# Altium PCB ESP32-C3_V1.PcbDoc (part 2 of 2)
Units mm, origin at the board's own origin, x right, y up, seen from the top; angles counter-clockwise.
Board outline 80 x 35 mm, 4 copper layers (Top Layer, Inner Layer 1, Inner Layer 2, Bottom Layer), stack 1.564 mm thick; 105 components, 76 nets, 445 pads, 265 vias.
Unrouted connection lines stored in the file: 166.
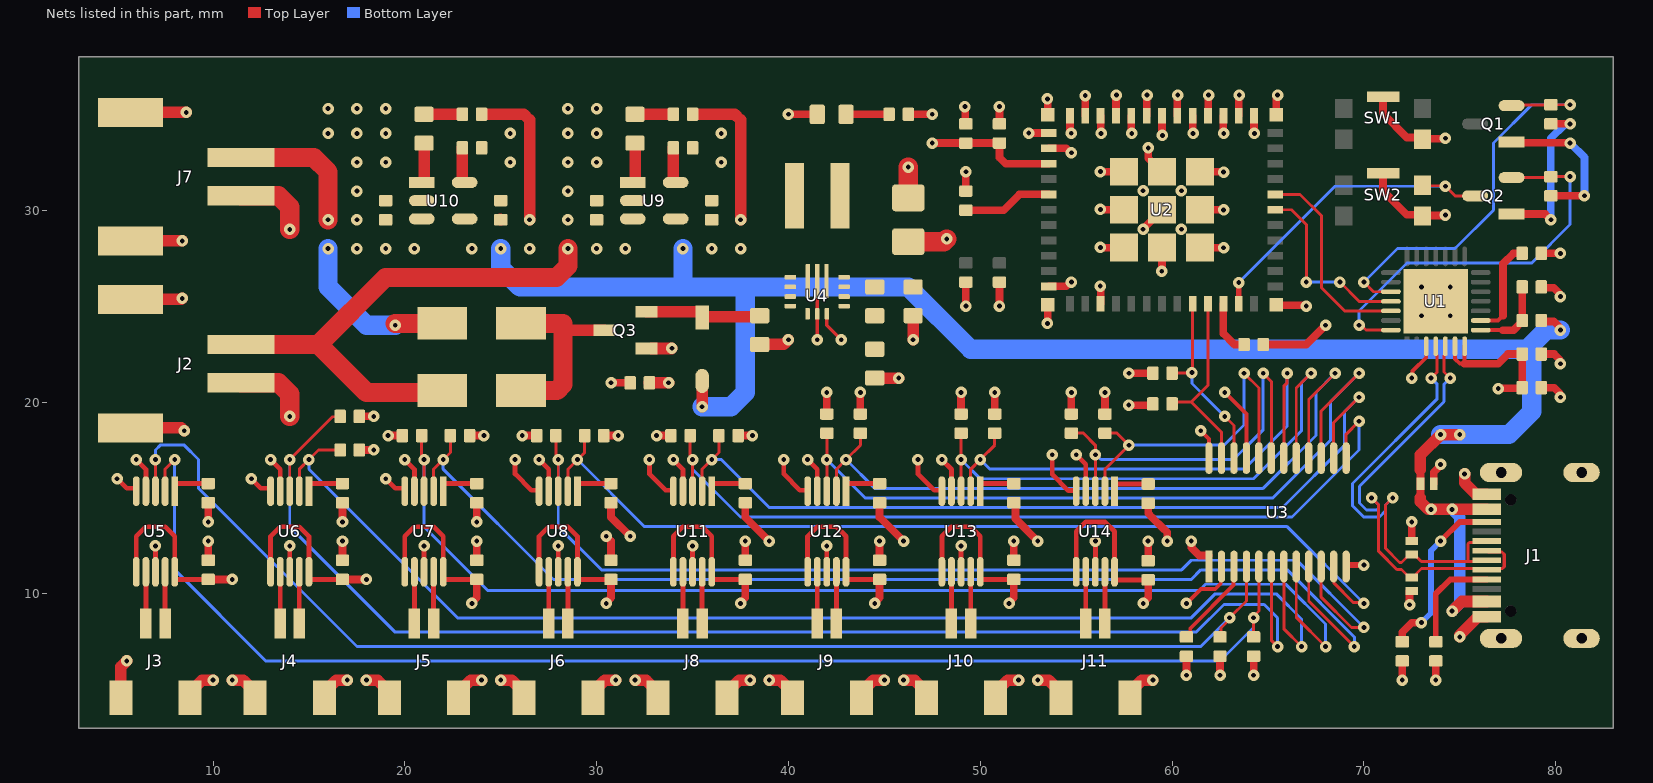
[diagram p4: the nets of this part, all layers, seen from the top]

## Via types
v1: diameter 0.6, hole 0.25, Top Layer to Bottom Layer, tented both sides, 260 vias
v2: diameter 0.6, hole 0.25, Top Layer to Bottom Layer, 5 vias

## Nets (pads, with @x,y where several pads share a name; then routed paths per layer and width w, separated by ;. In a path a pad name is that pad's centre, name@x,y a point inside that pad or via, vN(x,y) a via of type N, cw(c..) or ccw(c..) an arc to the next point about the centre after c; other vN are vias at no path point) (continued)
CON_USB_N: D3.2 J1.A7 J1.B7 U1.5 | length 24.1
  Top Layer w0.158: v1(70.4,15) 70.769,14.631 70.769,12.22 71.72,11.269 71.956,11.269 72.375,10.85 D3.2@72.5,10.85 72.625,10.85 72.746,10.971 72.746,11.065 73,11.319 J1.B7@76.4,11.319 ; U1.5@74.25,22.909 74.25,22.492 74.181,22.423 74.181,22.076 74.181,21.569 v1(74.5,21.25) ; J1.A7@76.4,12.25 76.471,12.179 77.196,12.179 77.318,12.057 77.318,11.418 77.22,11.32 J1.B7@76.47,11.32
  Bottom Layer w0.158: v1(70.4,15) 70.769,14.631 70.769,14.474 70.662,14.367 70.138,14.367 69.767,14.738 69.767,15.606 74.181,20.02 74.181,20.931 v1(74.5,21.25)
CON_USB_P: D2.2 J1.A6 J1.B6 U1.4 | length 24
  Top Layer w0.158: v1(71.5,15) 71.131,14.631 71.131,12.369 71.861,11.639 71.964,11.639 72.375,12.05 D2.2@72.5,12.05 72.625,12.05 72.994,11.681 75.425,11.681 ; v1(73.5,21.25) 73.819,21.569 73.819,22.226 73.819,22.423 73.75,22.492 U1.4@73.75,22.909 ; J1.A6@76.4,11.681 75.425,11.681 ; J1.B6@76.4,12.75 76.329,12.679 75.497,12.679 75.425,12.607 75.425,11.681
  Bottom Layer w0.158: v1(71.5,15) 71.131,14.631 71.131,14.324 70.812,14.005 69.988,14.005 69.405,14.588 69.405,15.756 73.819,20.17 73.819,20.931 v1(73.5,21.25)
DTR: Q2.2 R23.2 U1.28 | length 20.9
  Top Layer w0.152: v1(69.75,24) 69.858,24 70.108,23.75 U1.28@71.409,23.75 ; Q2.2@77.701,31.7 79.7,31.7 R23.2@79.75,31.75 v1(80.75,31.75)
  Bottom Layer w0.152: v1(69.75,24) 69.75,24.75 72.25,27.25 78.75,27.25 80.75,29.25 v1(80.75,31.75)
GND: C1.1 C2.1 C3.1 C4.1 C5.1 C6.1 C7.1 C8.1 C9.1 C10.1 C11.1 C12.1 C13.1 C14.1 C15.1 C16.1 C17.2 C18.2 C19.2 C20.2 C21.1 C22.1 C23.1 C24.1 C25.1 C26.1 C27.1 C28.1 D2.1 D3.1 D4.1 D5.K J1.A1B12 J1.B1A12 J1.SH J2.2 J2.MP1 J2.MP2 J3.3 J3.4 J4.3 J4.4 J5.3 J5.4 J6.3 J6.4 J7.2 J7.MP1 J7.MP2 J8.3 J8.4 J9.3 J9.4 J10.3 J10.4 J11.3 J11.4 R4.1 R5.1 R6.1 R32.1 R34.2 R36.2 R37.1 SW1.4 SW1.5 SW2.4 SW2.5 U1. U1.3 U2.1 U2.2 U2.11 U2.14 U2.36 U2.37 U2.38 U2.39 U2.40 U2.41 U2.42 U2.43 U2.44 U2.45 U2.46 U2.47 U2.48 U2.49 U2.50 U2.51 U2.52 U2.53 U2.54 U2.55 U2.56 U2.57 U2.58 U2.59 U2.60 U2.61 U3.1 U3.2 U3.12 U3.21 U4.2 U4.9 U4.10 U5.4 U5.8 U6.4 U6.8 U7.4 U7.8 U8.4 U8.8 U9.2 U10.2 U11.4 U11.8 U12.4 U12.8 U13.4 U13.8 U14.4 U14.8 | length 181.8
  Top Layer w0.2: v1(41.5,23.25) U4.2@41.5,26.305 ; U4.10@42,24.6 42,24 v1(42.75,23.25) ; v1(60.75,9.5) 61.5,10.25 62.25,10.25 62.54,10.54 62.54,11.39 U3.2@62.575,11.425 ; v1(62.75,20.5) 63.75,19.5 63.761,19.5 63.875,19.386 U3.21@63.875,17.075 ; v1(72.5,21.25) 72.539,21.289 72.539,21.614 73.25,22.325 U1.3@73.25,22.909
  Top Layer w0.25: v1(6,17) 6.5,16.5 U5.4@6.5,15.351 ; U5.8@7,11.149 v1(7,12.5) ; v1(13,17) 13.5,16.5 U6.4@13.5,15.351 ; U6.8@14,11.149 v1(14,12.5) ; v1(20,17) 20.5,16.5 U7.4@20.5,15.351 U7.4@20.5,16 ; U7.8@21,11.149 v1(21,12.5) ; v1(27,17) 27.5,16.5 U8.4@27.5,15.351 ; U8.8@28,11.149 v1(28,12.5) ; v1(34,17) 34.5,16.5 U11.4@34.5,15.351 ; U11.8@35,11.149 v1(35,12.5) ; v1(41,17) 41.5,16.5 U12.4@41.5,15.351 ; U12.8@42,11.149 v1(42,12.5) ; v1(48,17) 48.5,16.5 U13.4@48.5,15.351 ; U13.8@49,11.149 v1(49,12.5) ; v1(55,17.25) 55.5,16.75 U14.4@55.5,15.327 ; U14.8@56,11.399 v1(56,12.75)
  Top Layer w0.3: U3.12@69.075,11.425 69.075,11.463 69.112,11.5 v1(70,11.5)
  Top Layer w0.4: C9.1@9.75,11.75 v1(9.75,12.75) ; v1(9.75,13.75) C10.1@9.75,14.75 ; C11.1@16.75,11.75 v1(16.75,12.75) ; v1(16.75,13.75) C12.1@16.75,14.75 ; C13.1@23.75,11.75 v1(23.75,12.75) ; v1(23.75,13.75) C14.1@23.75,14.75 ; v1(30.5,13) 30.75,12.75 C15.1@30.75,11.75 ; C16.1@30.75,14.75 30.75,14 v1(31.75,13) ; v1(30.75,21) 31.45,21 ; C21.1@37.75,11.75 v1(37.75,12.75) ; C22.1@37.75,14.75 37.75,14 v1(39,12.75) ; v1(40,35) D5.K@41.5,35 ; C23.1@44.75,11.75 v1(44.75,12.75) ; C24.1@44.75,14.75 44.75,14 v1(46,12.75) ; v1(49.2,35.4) 49.225,35.375 49.225,34.525 C2.1@49.25,34.5 ; v1(51,25) C1.1@51,26.25 ; C3.1@51,34.5 v1(51,35.4) ; C25.1@51.75,11.75 v1(51.75,12.75) ; C26.1@51.75,14.75 51.838,14.662 51.838,13.912 v1(53,12.75) ; v1(52.525,34.025) U2.1@53.575,34.025 U2.1@53.578,34.022 ; v1(53.5,24.1) 53.512,24.112 53.512,25.063 U2.52@53.525,25.075 ; v1(53.5,35.8) 53.512,35.788 53.512,34.988 U2.53@53.525,34.975 ; U2.11@53.585,26.028 54.474,26.028 v1@54.696,26.25 ; U2.2@53.585,33.222 54.474,33.222 54.696,33 v1(54.75,33) ; U2.48@54.675,34.925 54.675,34.129 54.739,34.065 v1(54.739,34.011) ; U2.47@55.475,34.925 55.478,34.928 v1(55.478,35.978) ; U2.14@56.275,25.125 v1@56.275,26.025 ; v1@56.275,28.05 U2.56@57.5,28.05 ; v1@56.275,30.025 U2.55@57.5,30.025 ; v1@56.275,32 U2.54@57.5,32 ; v1@56.275,34.025 U2.46@56.275,34.925 ; U2.45@57.078,34.928 v1@57.078,35.978 ; v1@57.875,34.025 U2.44@57.875,34.925 ; v1(58.488,29.012) 58.488,29.038 U2.49@59.475,30.025 U2.49@58.951,29.501 ; U2.43@58.678,34.928 v1@58.678,35.978 ; C27.1@58.75,11.726 v1(58.75,12.75) ; C28.1@58.75,14.726 58.75,14.2 59,13.95 59.5,13.45 59.75,13.2 v1(59.75,12.75) ; v1(58.755,33.245) 58.755,32.72 U2.61@59.475,32 ; v1@59.475,26.825 U2.57@59.475,28.05 ; U2.42@59.475,34.925 59.478,34.922 59.478,33.922 v1(59.5,33.9) ; U2.41@60.272,34.922 U2.41@60.275,34.925 ; U2.41@60.278,34.928 v1@60.278,35.978 ; v1(61,12.75) 61.009,12.741 61.009,12.416 61.425,12 U3.1@61.915,12 ; v1@61.075,34.025 U2.40@61.075,34.925 ; U2.58@61.45,28.05 v1@62.675,28.05 ; U2.59@61.45,30.025 v1@62.675,30.025 ; U2.60@61.45,32 v1@62.675,32 ; U2.39@61.878,34.928 v1@61.878,35.978 ; v1@62.675,34.025 U2.38@62.675,34.925 ; U2.37@63.478,34.928 v1@63.478,35.978 ; v1@64.275,34.025 U2.36@64.275,34.925 ; U2.51@65.425,25.075 65.462,25.037 66.963,25.037 v1(67,25) ; U2.50@65.425,34.975 65.425,35.871 65.5,35.946 v1(65.5,36) ; SW2.5@71,31.925 71,31 72.234,29.766 72.984,29.766 SW2.4@73.05,29.7 ; SW1.5@71,35.925 71,35.024 72.234,33.789 73.011,33.789 SW1.4@73.026,33.774 ; v1(72,5.5) R5.1@72,6.5 ; D3.1@72.375,10.15 D3.1@72.5,10.15 ; v1(72.382,9.432) D3.1@72.382,10.143 ; D2.1@72.5,12.75 v1(72.5,13.75) ; SW1.4@73.05,33.7 73.075,33.725 74.225,33.725 v1(74.25,33.75) ; SW2.4@73.075,29.725 v1@74.225,29.725 ; D4.1@73.65,15.75 73.65,16.346 74,16.696 v1(74,16.75) ; v1(73.75,5.5) R6.1@73.75,6.5 ; C4.1@79.25,20.75 79.923,20.75 80.212,20.462 80.212,20.288 v1(80.25,20.25) ; C5.1@79.25,22.5 79.923,22.5 80.212,22.212 80.212,22.038 v1(80.25,22) ; R4.1@79.25,25.95 79.907,25.95 80.212,25.645 80.212,25.538 v1(80.25,25.5)
  Top Layer w0.6: J3.3@5.2,4.575 5.2,6.2 v1(5.5,6.5) ; J2.MP2@5.7,18.65 8.35,18.65 v1(8.5,18.5) ; J2.MP1@5.7,25.35 8.35,25.35 v1(8.4,25.4) ; J7.MP2@5.7,28.4 v1(8.4,28.4) ; J7.MP1@5.7,35.1 v1(8.6,35.1) ; J3.4@8.8,4.575 8.8,4.875 9.425,5.5 v1(10,5.5) ; v1(11,5.5) 11.575,5.5 12.2,4.875 J4.3@12.2,4.575 ; J4.4@15.8,4.575 15.8,4.875 16.425,5.5 v1(17,5.5) ; v1(18,5.5) 18.575,5.5 19.2,4.875 J5.3@19.2,4.575 ; J5.4@22.8,4.575 22.8,4.875 23.425,5.5 v1(24,5.5) ; v1(25,5.5) 25.575,5.5 26.2,4.875 J6.3@26.2,4.575 ; J6.4@29.8,4.575 29.8,4.875 30.425,5.5 v1(31,5.5) ; v1(32,5.5) 32.575,5.5 33.2,4.875 J8.3@33.2,4.575 ; J8.4@36.8,4.575 36.8,4.875 37.425,5.5 v1(38,5.5) ; C6.1@38.5,23 39.75,23 v1(40,23.25) ; v1(39,5.5) 39.575,5.5 40.2,4.875 J9.3@40.2,4.575 ; J9.4@43.8,4.575 43.8,4.875 44.425,5.5 v1(45,5.5) ; R32.1@44.5,21.25 v1(45.75,21.25) ; v1(46,5.5) 46.575,5.5 47.2,4.875 J10.3@47.2,4.575 ; v1(46.5,23.25) C7.1@46.5,24.5 ; J10.4@50.8,4.575 50.8,4.875 51.425,5.5 v1(52,5.5) ; v1(53,5.5) 53.575,5.5 54.2,4.875 J11.3@54.2,4.575 ; J11.4@57.8,4.575 57.8,4.875 58.425,5.5 v1(59,5.5) ; v1(75,7.75) 75,7.85 75.95,8.8 J1.A1B12@76.4,8.8 ; v1(75.25,16.25) 75.25,15.787 75.836,15.2 J1.B1A12@76.4,15.2
  Top Layer w1: J2.2@11.45,21 13.414,21 14,20.414 v1(14,19.25) ; J7.2@11.45,30.75 13.414,30.75 14,30.164 v1(14,29) ; C8.1@46.25,30.643 v1(46.25,32.25)
  Bottom Layer w0.4: J1.SH@77.15,7.675 J1.SH@77.75,7.675 ; J1.SH@77.15,16.325 J1.SH@77.75,16.325
  other v1: 56.253,26.047 54.75,26.25 59.462,26.812 62.688,28.037 56.262,28.062 60.488,29.012 74.25,29.75 62.688,30.012 56.262,30.037 17.5,31 28.5,31 58.488,31.012 60.488,31.012 62.688,31.987 56.262,32.012 17.5,32.5 19,32.5 25.5,32.5 28.5,32.5 30,32.5 36.5,32.5 16,34 17.5,34 19,34 25.5,34 28.5,34 30,34 36.5,34 56.297,34.003 57.897,34.003 61.097,34.003 62.697,34.003 64.297,34.003 16,35.3 17.5,35.3 19,35.3 28.5,35.3 30,35.3 57.1,36 58.7,36 60.3,36 61.9,36 63.5,36
  other v2: 73,24.5 74.5,24.5 73,26 74.5,26
IO2: R27.1 U2.5 | length 4.7
  Top Layer w0.4: R27.1@49.25,30 51.223,30 52.048,30.825 U2.5@53.575,30.825
IO8: R26.1 U2.22 | length 2.9
  Top Layer w0.4: U2.22@62.675,25.125 62.675,23.575 63.25,23 R26.1@63.75,23
IO9: Q2.3 SW2.2 U2.23 | length 16.9
  Top Layer w0.152: SW2.2@73.05,31.3 73.075,31.275 74.225,31.275 74.75,30.75 Q2.3@75.799,30.75
  Top Layer w0.3: U2.23@63.475,25.125 v1(63.475,26.225)
  Bottom Layer w0.152: v1(63.475,26.225) 68.5,31.25 v1(74.25,31.25)
NetC10_2: C10.2 U5.1 | length 1.7
  Top Layer w0.25: U5.1@8.05,15.75 C10.2@9.75,15.75
NetC12_2: C12.2 U6.1 | length 1.7
  Top Layer w0.25: U6.1@15.05,15.75 C12.2@16.75,15.75
NetC14_2: C14.2 U7.1 | length 1.7
  Top Layer w0.25: U7.1@22.05,15.75 C14.2@23.75,15.75
NetC16_2: C16.2 U8.1 | length 1.7
  Top Layer w0.25: U8.1@29.05,15.75 C16.2@30.75,15.75
NetC22_2: C22.2 U11.1 | length 1.7
  Top Layer w0.25: U11.1@36.05,15.75 C22.2@37.75,15.75
NetC24_2: C24.2 U12.1 | length 1.7
  Top Layer w0.25: U12.1@43.05,15.75 C24.2@44.75,15.75
NetC26_2: C26.2 U13.1 | length 1.7
  Top Layer w0.25: U13.1@50.05,15.75 C26.2@51.75,15.75
NetC28_2: C28.2 U14.1 | length 1.7
  Top Layer w0.25: U14.1@57.05,15.726 C28.2@58.75,15.726 C28.2@58.7,15.726
NetD5_A: D5.A R30.1 | length 2.2
  Top Layer w0.4: D5.A@43,35 R30.1@45.25,35
NetD6_1: D6.1 D7.1 Q3.3 | length 10
  Top Layer w0.6: 28.25,24.1 28.6,23.75 Q3.3@30.4,23.75
  Top Layer w1: D6.1@26.05,20.6 27.931,20.6 28.25,20.919 28.25,24.1 D7.1@26.05,24.1
NetD8_A: D8.A R33.2 | length 2
  Top Layer w0.6: D8.A@32,35 R33.2@34,35
NetD8_K: D8.K U9.1 | length 2
  Top Layer w0.6: U9.1@32,31.489 D8.K@32,33.5
NetD9_A: D9.A R35.2 | length 2
  Top Layer w0.6: D9.A@21,35 R35.2@23,35
NetD9_K: D9.K U10.1 | length 2
  Top Layer w0.6: U10.1@21,31.489 D9.K@21,33.5
NetJ1_A5: J1.A5 R6.2 | length 5.5
  Top Layer w0.3: R6.2@73.75,7.5 73.75,10 74.5,10.75 J1.A5@76.4,10.75
NetJ1_B5: J1.B5 R5.2 | length 9.2
  Top Layer w0.3: v1(74,12.75) 75,13.75 J1.B5@76.4,13.75
  Top Layer w0.4: R5.2@72,7.5 72,8 72.5,8.5 v1(73,8.5)
  Bottom Layer w0.3: v1(73,8.5) 73.5,9 73.5,12.25 v1(74,12.75)
NetJ3_1: J3.1 U5.7 | length 2.2
  Top Layer w0.25: J3.1@6.5,8.45 U5.7@6.5,10.649
NetJ3_2: J3.2 U5.9 | length 2.2
  Top Layer w0.25: J3.2@7.5,8.45 U5.9@7.5,10.649
NetJ4_1: J4.1 U6.7 | length 2.2
  Top Layer w0.25: J4.1@13.5,8.95 U6.7@13.5,11.149
NetJ4_2: J4.2 U6.9 | length 2.2
  Top Layer w0.25: J4.2@14.5,8.95 U6.9@14.5,11.149
NetJ5_1: J5.1 U7.7 | length 2.2
  Top Layer w0.25: J5.1@20.5,8.95 U7.7@20.5,11.149
NetJ5_2: J5.2 U7.9 | length 2.2
  Top Layer w0.25: J5.2@21.5,8.95 U7.9@21.5,11.149
NetJ6_1: J6.1 U8.7 | length 2.2
  Top Layer w0.25: J6.1@27.5,8.95 U8.7@27.5,11.149
NetJ6_2: J6.2 U8.9 | length 2.2
  Top Layer w0.25: J6.2@28.5,8.95 U8.9@28.5,11.149
NetJ8_1: J8.1 U11.7 | length 2.2
  Top Layer w0.25: J8.1@34.5,8.95 U11.7@34.5,11.149
NetJ8_2: J8.2 U11.9 | length 2.2
  Top Layer w0.25: J8.2@35.5,8.95 U11.9@35.5,11.149
NetJ9_1: J9.1 U12.7 | length 2.2
  Top Layer w0.25: J9.1@41.5,8.95 U12.7@41.5,11.149
NetJ9_2: J9.2 U12.9 | length 2.2
  Top Layer w0.25: J9.2@42.5,8.95 U12.9@42.5,11.149
NetJ10_1: J10.1 U13.7 | length 2.2
  Top Layer w0.25: J10.1@48.5,8.95 U13.7@48.5,11.149
NetJ10_2: J10.2 U13.9 | length 2.2
  Top Layer w0.25: J10.2@49.5,8.95 U13.9@49.5,11.149
NetJ11_1: J11.1 U14.7 | length 2.2
  Top Layer w0.25: J11.1@55.5,9.2 U14.7@55.5,11.399
NetJ11_2: J11.2 U14.9 | length 2.2
  Top Layer w0.25: J11.2@56.5,9.2 U14.9@56.5,11.399
NetL1_1: L1.1 U4.3
NetL1_2: L1.2 U4.1
NetQ1_1: Q1.1 R23.1 | length 7.9
  Top Layer w0.4: Q1.1@77.701,33.55 77.726,33.525 80.725,33.525 v1(80.75,33.5) ; R23.1@79.75,30.75 v1(81.5,30.75)
  Bottom Layer w0.4: v1(80.75,33.5) 81.5,32.75 81.5,32.066 81.504,32.062 81.504,31.438 81.5,31.434 v1(81.5,30.75)
NetQ2_1: Q2.1 R25.1 | length 8.7
  Top Layer w0.4: Q2.1@77.701,29.8 79.45,29.8 v1(79.75,29.5) ; R25.1@79.75,34.5 v1(80.75,34.5)
  Bottom Layer w0.4: v1(79.75,29.5) 79.75,33.75 80.462,34.462 80.712,34.462 v1(80.75,34.5)
NetR2_1: R2.1 U1.9 | length 5.2
  Top Layer w0.2: U1.9@76.091,24.25 77,24.25 77.25,24.5
  Top Layer w0.4: 77.25,24.5 77.25,27.195 77.804,27.749 R2.1@78.25,27.75 R2.1@78.25,27.75
NetR3_1: R3.1 R4.2 U1.8 | length 4.1
  Top Layer w0.2: U1.8@76.091,23.75 77.25,23.75
  Top Layer w0.4: 77.25,23.75 77.8,23.75 78.25,24.2 R4.2@78.25,26
NetR24_1: R24.1 U3.3 | length 4.7
  Top Layer w0.2: R24.1@60.75,7.75 60.796,7.75 60.946,7.9 60.946,8.196 63.21,10.46 U3.3@63.21,11.409
NetR31_1: R31.1 R32.2 U4.11
NetR34_1: R34.1 U9.5 | length 1.8
  Top Layer w0.6: U9.5@34,31.486 R34.1@34,33.25
NetR36_1: R36.1 U10.5 | length 1.8
  Top Layer w0.6: U10.5@23,31.486 R36.1@23,33.25
RTS: Q1.2 R25.2 U1.24 | length 21.3
  Top Layer w0.152: v1(70,26.25) 70.5,25.75 U1.24@71.409,25.75 ; Q1.2@77.701,35.45 77.726,35.475 79.725,35.475 R25.2@79.75,35.5 v1(80.75,35.5)
  Bottom Layer w0.152: v1(70,26.25) 71.75,28 74.75,28 76.75,30 76.75,33.5 78.75,35.5 v1(80.75,35.5)
RXD0: U1.25 U2.30 | length 9.8
  Top Layer w0.152: U2.30@65.375,30.025 66.225,30.025 67,29.25 v1(67,26.25) ; v1(68.75,26.25) 69.75,25.25 70.25,25.25 U1.25@71.409,25.25
  Bottom Layer w0.152: v1(67,26.25) v1(68.75,26.25)
SCL: R28.1 U2.20 U3.22 | length 10
  Top Layer w0.152: R28.1@60,21.5 60.019,21.519 61.019,21.519 61.075,21.575 U2.20@61.075,25.125 ; v1(62.75,19.25) 63.225,18.775 U3.22@63.225,17.075
  Bottom Layer w0.152: v1(61.038,21.538) 61.038,20.962 61.943,20.057 v1(62.75,19.25)
SCL_01: R7.1 U3.5 U5.2 | length 70.2
  Top Layer w0.152: U5.2@7.5,16 7.5,16.5 v1(8,17) ; R7.1@64.25,7.75 v1(64.25,8.75) 64.25,8.831 64.525,9.106 U3.5@64.525,11.425
  Bottom Layer w0.152: v1(8,17) 8,11.25 12.75,6.5 62.5,6.5 64.25,8.25 v1(64.25,8.75)
SCL_02: R9.1 U3.7 U6.2 | length 65.5
  Top Layer w0.152: U6.2@14.5,16 14.5,16.5 v1(15,17) 15.5,17.5 R9.1@16.625,17.5 ; U3.7@65.825,11.4 65.825,8.175 v1(66.75,7.25)
  Bottom Layer w0.152: v1(15,17) 15,16.5 22.75,8.75 61,8.75 62.25,10 65.433,10 66.75,8.683 v1(66.75,7.25)
SCL_03: R11.1 U3.9 U7.2 | length 60.3
  Top Layer w0.152: U7.2@21.5,16 21.5,16.5 v1(22,17) 22.375,17.375 R11.1@22.375,18.25 ; U3.9@67.125,11.4 67.125,9.625 v1(69.5,7.25)
  Bottom Layer w0.152: v1(22,17) 22,16.5 27.75,10.75 61,10.75 61.5,11.25 66,11.25 69.5,7.75 v1(69.5,7.25)
SCL_04: R13.1 U3.11 U8.2 | length 49.6
  Top Layer w0.152: U8.2@28.5,16 28.5,16.5 v1(29,17) 29.375,17.375 R13.1@29.375,18.25 ; U3.11@68.425,11.425 68.428,11.422 68.428,10.572 69.461,9.539 69.961,9.539 v1(70,9.5)
  Bottom Layer w0.152: v1(29,17) 32.5,13.5 66,13.5 v1(70,9.5)
SCL_05: R15.1 U3.14 U11.2 | length 44.5
  Top Layer w0.152: U11.2@35.5,16 35.5,16.5 v1(36,17) 36.375,17.375 R15.1@36.375,18.25 ; U3.14@68.425,17.075 68.425,18.925 v1(69.75,20.25)
  Bottom Layer w0.152: v1(36,17) 36.5,17 39,14.5 65.75,14.5 69,17.75 69,19.5 v1(69.75,20.25)
SCL_06: R17.1 U3.16 U12.2 | length 37.8
  Top Layer w0.152: U12.2@42.5,16 42.5,16.5 v1(43,17) 43.75,17.75 R17.1@43.75,18.375 ; U3.16@67.125,17.075 67.125,20.125 v1@68.491,21.491
  Bottom Layer w0.152: v1(43,17) 44.5,15.5 64.75,15.5 67.5,18.25 67.5,20.5 v1(68.5,21.5)
SCL_07: R19.1 U3.18 U13.2 | length 27.9
  Top Layer w0.152: U13.2@49.5,15.351 49.5,16 49.5,16.5 v1(50,17) 50.75,17.75 R19.1@50.75,18.375 ; U3.18@65.825,17.075 65.825,20.825 66,21 v1(66,21.5)
  Bottom Layer w0.152: v1(50,17) 50.5,16.5 63.75,16.5 66,18.75 v1(66,21.5)
SCL_08: R21.1 U3.20 U14.2 | length 18
  Top Layer w0.152: U14.2@56.5,15.577 56.5,16.5 v1(57.75,17.75) 57.125,18.375 R21.1@56.5,18.375 ; v1(63.75,21.5) 64.525,20.725 U3.20@64.525,17.106
  Bottom Layer w0.152: v1(57.75,17.75) 62.7,17.75 63.75,18.8 v1(63.75,21.5)
SDA: R29.1 U2.21 U3.23 | length 10.1
  Top Layer w0.152: R29.1@60,20 61,20 ; U2.21@61.875,25.125 61.875,20.875 61,20 ; U3.23@62.575,17.075 62.575,18.425 61,20
SDA_01: R8.1 U3.4 U5.3 | length 68.3
  Top Layer w0.152: U5.3@7,15.351 v1(7,17) ; R8.1@62.55,7.75 62.55,8.219 63,8.669 v1(63,8.75) 63.875,9.625 U3.4@63.875,11.425
  Bottom Layer w0.152: v1(7,17) 7,17.5 7.25,17.75 8.5,17.75 9.25,17 9.25,15.5 17.5,7.25 61.5,7.25 v1(63,8.75)
SDA_02: R10.1 U3.6 U6.3 | length 69.2
  Top Layer w0.152: U6.3@14,15.351 v1(14,17) 15.054,18.054 16.231,19.231 16.606,19.231 R10.1@16.625,19.25 ; U3.6@65.175,11.394 65.175,7.575 v1(65.5,7.25)
  Bottom Layer w0.152: v1(14,17) 14,13.5 19.5,8 61.25,8 62.7,9.45 64.8,9.45 65.5,8.75 v1(65.5,7.25)
SDA_03: R12.1 U3.8 U7.3 | length 61.8
  Top Layer w0.152: R12.1@20.875,18.25 20.875,17.246 21,17.121 U7.3@21,15.351 ; U3.8@66.475,11.425 66.475,8.775 v1(68,7.25)
  Bottom Layer w0.152: v1(21,17) 21,13.5 24.322,10.178 61.428,10.178 61.75,10.5 65.925,10.5 68,8.425 v1(68,7.25)
SDA_04: R14.1 U3.10 U8.3 | length 55.5
  Top Layer w0.152: R14.1@27.875,18.25 27.875,17.246 28,17.121 U8.3@28,15.351 ; U3.10@67.775,11.425 67.775,9.825 69.35,8.25 v1(70,8.25)
  Bottom Layer w0.152: v1(28,17) 28,13.5 30.25,11.25 60.5,11.25 61,11.75 66.5,11.75 v1(70,8.25)
SDA_05: R16.1 U3.13 U11.3 | length 44.4
  Top Layer w0.152: R16.1@34.875,18.25 34.875,17.246 35,17.121 U11.3@35,15.351 ; U3.13@69.075,17.075 69.075,18.325 v1(69.75,19)
  Bottom Layer w0.152: v1(35,17) 35,16.5 37.5,14 66.25,14 69.75,17.5 v1(69.75,19)
SDA_06: R18.1 U3.15 U12.3 | length 40.7
  Top Layer w0.152: U12.3@42,15.351 v1(42,17) R18.1@42,18.375 ; U3.15@67.775,17.075 67.775,19.525 v1(69.75,21.5)
  Bottom Layer w0.152: v1(42,17) 44,15 65.25,15 68.25,18 68.25,20 v1(69.75,21.5)
SDA_07: R20.1 U3.17 U13.3 | length 30.2
  Top Layer w0.152: U13.3@49,15.351 v1(49,17) R20.1@49,18.375 ; U3.17@66.475,17.075 66.475,20.725 v1(67.25,21.5)
  Bottom Layer w0.152: v1(49,17) 50,16 64.25,16 66.75,18.5 66.75,21 v1(67.25,21.5)
SDA_08: R22.1 U3.19 U14.3 | length 21
  Top Layer w0.152: R22.1@54.75,18.375 55.375,18.375 56,17.75 v1(56,17.25) U14.3@56,15.327 ; v1(64.75,21.5) 65.175,21.075 U3.19@65.175,17.1
  Bottom Layer w0.152: v1(56,17.25) 56.035,17.25 56.285,17 63.2,17 64.75,18.55 v1(64.75,21.5)
SELECTED: C6.2 D10.1 Q3.2 U4.4 U4.5 U4.6 U4.7 U4.8 | length 6.4
  Top Layer w0.6: Q3.2@32.6,24.71 35.449,24.71 35.5,24.659 D10.1@35.5,24.4 ; D10.1@35.449,24.6 35.5,24.549 D10.1@35.5,24.4 ; C6.2@38.5,24.5 38.45,24.45 35.55,24.45 D10.1@35.5,24.4
TXD0: U1.26 U2.31 | length 10.7
  Top Layer w0.152: U2.31@65.375,30.825 66.675,30.825 67.8,29.7 67.8,25.95 69,24.75 70.25,24.75 U1.26@71.409,24.75
VCC_3V3: C2.2 C3.2 C4.2 C5.2 C7.2 C8.2 C9.2 C11.2 C13.2 C15.2 C21.2 C23.2 C25.2 C27.2 R1.2 R2.2 R7.2 R8.2 R9.2 R10.2 R11.2 R12.2 R13.2 R14.2 R15.2 R16.2 R17.2 R18.2 R19.2 R20.2 R21.2 R22.2 R24.2 R26.2 R27.2 R28.2 R29.2 R30.2 R31.2 U1.6 U1.7 U2.3 U3.24 U4.12 U4.13 U4.14 U5.5 U5.6 U5.10 U6.5 U6.6 U6.10 U7.5 U7.6 U7.10 U8.5 U8.6 U8.10 U11.5 U11.6 U11.10 U12.5 U12.6 U12.10 U13.5 U13.6 U13.10 U14.5 U14.6 U14.10 | length 134.4
  Top Layer w0.2: v1(61.5,18.5) 61.925,18.075 U3.24@61.925,17.075 ; U1.6@74.75,22.909 74.75,22.25 75,22 75.25,22 U1.7@75.25,22.909
  Top Layer w0.25: v1(5,16) 5.5,15.5 U5.5@5.954,15.5 ; U5.6@6,11.149 6,13 6.5,13.5 7.5,13.5 8,13 U5.10@8,11.149 ; U5.10@8.046,10.75 C9.2@9.75,10.75 ; v1(12,16) 12.5,15.5 U6.5@12.954,15.5 ; U6.6@13,11.149 13,13 13.5,13.5 14.5,13.5 15,13 U6.10@15,11.149 ; U6.10@15.046,10.75 C11.2@16.75,10.75 ; v1(19,16) 19.5,15.5 U7.5@19.954,15.5 ; U7.6@20,11.149 20,13 20.5,13.5 21.5,13.5 22,13 U7.10@22,11.149 ; U7.10@22.046,10.75 C13.2@23.75,10.75 ; v1(25.75,17) 25.75,16.25 26.596,15.404 26.954,15.404 27,15.357 U8.5@27,15.351 ; U8.6@27,11.149 27,13 27.5,13.5 28.5,13.5 29,13 U8.10@29,11.149 ; U8.10@29.046,10.75 C15.2@30.75,10.75 ; v1(32.75,17) 32.75,16.25 33.596,15.404 33.954,15.404 34,15.357 U11.5@34,15.351 ; U11.6@34,11.149 34,13 34.5,13.5 35.5,13.5 36,13 U11.10@36,11.149 ; U11.10@36.046,10.75 C21.2@37.75,10.75 ; v1(39.75,17) 39.75,16.25 40.596,15.404 40.954,15.404 41,15.357 U12.5@41,15.351 ; U12.6@41,11.149 41,13 41.5,13.5 42.5,13.5 43,13 U12.10@43,11.149 ; U12.10@43.046,10.75 C23.2@44.75,10.75 ; v1(46.75,17) 46.75,16.25 47.596,15.404 47.954,15.404 48,15.357 U13.5@48,15.351 ; U13.6@48,11.149 48,13 48.5,13.5 49.5,13.5 50,13 U13.10@50,11.149 ; U13.10@50.046,10.75 C25.2@51.75,10.75 ; v1@53.75,16.976 53.75,16.226 54.596,15.379 U14.5@54.954,15.379 ; U14.6@55,11.399 55,13.25 55.5,13.75 56.5,13.75 57,13.25 U14.10@57,11.399 ; U14.10@57,11.375 57,11.022 U14.10@57.046,10.976 ; U14.10@57.046,10.726 C27.2@58.75,10.726
  Top Layer w0.4: C9.2@9.75,10.75 v1(11,10.75) ; C11.2@16.75,10.75 v1(18,10.75) ; R9.2@17.625,17.5 v1(18.375,17.5) ; R10.2@17.625,19.25 v1(18.375,19.25) ; v1(19.125,18.25) R12.2@19.875,18.25 ; R11.2@23.375,18.25 v1(24.125,18.25) ; v1(23.5,9.5) 23.5,9.554 23.75,9.804 C13.2@23.75,10.75 ; v1(26.125,18.25) R14.2@26.875,18.25 ; R13.2@30.375,18.25 v1(31.125,18.25) ; v1(30.5,9.5) 30.5,9.554 30.75,9.804 C15.2@30.75,10.75 ; v1(33.125,18.25) R16.2@33.875,18.25 ; R15.2@37.375,18.25 v1(38.125,18.25) ; v1(37.5,9.5) 37.5,9.554 37.75,9.804 C21.2@37.75,10.75 ; R18.2@42,19.375 v1(42,20.5) ; R17.2@43.75,19.375 v1(43.75,20.5) ; v1(44.5,9.5) 44.5,9.554 44.75,9.804 C23.2@44.75,10.75 ; R30.2@46.25,35 v1(47.5,35) ; v1(47.5,33.5) C2.2@49.25,33.5 C3.2@51,33.5 ; R20.2@49,19.375 v1(49,20.5) ; v1(49.25,25) R1.2@49.25,26.25 ; R27.2@49.25,31 v1(49.25,32) ; R19.2@50.75,19.375 v1(50.75,20.5) ; C3.2@51,33.5 51,32.75 51.325,32.425 U2.3@53.575,32.425 ; v1(51.5,9.5) 51.5,9.554 51.75,9.804 C25.2@51.75,10.75 ; R22.2@54.75,19.375 v1(54.75,20.5) ; R21.2@56.5,19.375 v1(56.5,20.5) ; v1(57.738,19.838) 58.9,19.838 59,19.938 R29.2@59,20 ; v1(57.75,21.5) R28.2@59,21.5 ; v1(58.5,9.5) 58.5,9.554 58.75,9.804 C27.2@58.75,10.726 ; v1(60.75,5.75) R24.2@60.75,6.75 ; v1(62.5,5.75) R8.2@62.5,6.75 ; v1(64.25,5.75) R7.2@64.25,6.7 ; R26.2@64.75,23 67,23 v1(68,24) ; 75.25,22 77,22 77.5,22.5 C5.2@78.25,22.5 C4.2@78.25,20.75 78.225,20.725 77.025,20.725 v1(77,20.7) ; R2.2@79.25,27.75 v1(80.25,27.75)
  Top Layer w1: C8.2@46.25,28.357 48.107,28.357 v1(48.25,28.5)
  other v1: 53.75,17.25
VCC_BATT1: C17.1 D6.2 J2.1 U9.3 | length 27.1
  Top Layer w1: J2.1@11.45,23 15.5,23 ; D6.2@21.95,20.5 18,20.5 15.5,23 ; v1(28.5,28) 28.5,27.086 27.914,26.5 19,26.5 15.5,23
  other v1: 30,28 31.5,28 28.5,29.5
VCC_BATT2: C18.1 D7.2 J7.1 U10.3 | length 16.1
  Top Layer w1: J7.1@11.45,32.75 15.25,32.75 16,32 v1(16,29.5) ; v1@19.5,24.1 D7.2@21.95,24.1
  Bottom Layer w1: v1(16,28) 16,26 18,24 v1(19.5,24)
  other v1: 17.5,28 19,28 20.5,28 17.5,29.5
VCC_USB: C19.1 C20.1 D4.2 D10.2 J1.A4B9 J1.B4A9 Q3.1 R3.2 R33.1 R35.1 R37.2 U9.4 U10.4 | length 113.6
  Top Layer w0.4: 72.95,15 72.95,16.45 ; R3.2@79.25,24.2 79.907,24.2 80.212,23.895 80.212,23.788 v1(80.25,23.75)
  Top Layer w0.6: R35.1@24,35 26.207,35 26.5,34.707 v1(26.5,29.5) ; C20.1@24.975,29.525 C20.1@25,29.5 ; R37.2@32.75,21 v1(33.75,21) ; Q3.1@32.875,22.79 33.915,22.79 v1(33.925,22.8) ; R33.1@35,35 37.207,35 37.5,34.707 v1(37.5,29.5) ; v1(35.5,19.75) D10.2@35.5,21.1 ; 72.95,15 72.95,14.8 73.346,14.404 v1(73.505,14.404) 73.509,14.4 v1(74.6,14.4) J1.B4A9@76.4,14.4 ; 72.95,16.464 72.95,17.25 v1(74,18.3) v2(75,18.3) ; v1(74.6,9.1) 75.1,9.6 J1.A4B9@76.4,9.6
  Bottom Layer w0.6: v1(74.6,9.1) 75,9.5 75,14 v1(74.6,14.4)
  Bottom Layer w1: v1(25,28) 25,27 26,26 34.5,26 ; v1(34.5,28) 34.5,26 ; v1(35.5,19.75) 37,19.75 37.75,20.5 37.75,26 ; v1(74,18.3) v2(75,18.3) 77.55,18.3 78.75,19.5 78.75,22.75 ; v1(80.25,23.75) 79.5,23.75 78.75,23 78.75,22.75 ; 34.5,26 37.75,26 ; 37.75,26 46.25,26 49.5,22.75 78.75,22.75
  other v1: 23.5,28 26.5,28 36,28 37.5,28
pads on no net: J1.A8 J1.B8 J1.MH SW1.1 SW1.3 SW2.1 SW2.3 U1.1 U1.2 U1.10 U1.11 U1.12 U1.13 U1.14 U1.15 U1.16 U1.17 U1.18 U1.19 U1.20 U1.21 U1.22 U1.23 U1.27 U2.4 U2.6 U2.7 U2.9 U2.10 U2.12 U2.13 U2.15 U2.16 U2.17 U2.18 U2.19 U2.24 U2.25 U2.26 U2.27 U2.28 U2.29 U2.32 U2.33 U2.34 U2.35

## Polygon pours and split planes (outlines as drawn)
NetR31_1 on Top Layer "NETR31_1_L01_P044" (solid, pour order 44): 42.509,25.143 45.1,25.143 45.1,22.3 43.9,22.3 43.9,23.3 42.509,24.691
GND on Top Layer "GND_L01_P018" (solid, pour order 18): 27.5,30.25 37,30.25 37,34.5 34.5,34.5 34.5,32.5 35,32 35,30.811 31,30.811 31,35.75 27.5,35.75
GND on Top Layer "GND_L01_P015" (solid, pour order 15): 15.5,35.75 15.5,33.9 17,32.4 17,30.25 26,30.25 26,34.5 23.5,34.5 23.5,32.5 24.25,31.75 24.25,31 20,31 20,35.75 17,35.75
VCC_3V3 on Top Layer "VCC_3V3_L01_P039" (solid, pour order 39): 74.565,23.455 74.565,22.185 75,21.75 78.6,21.75 78.6,23 75.998,23 75.542,23.455
NetL1_1 on Top Layer "NETL1_1_L01_P029" (solid, pour order 29): 41.173,25.25 41.173,27.327 41,27.5 41,32.75 39.5,32.75 39.5,28.25 40.75,27 40.75,25.25
NetD6_1 on Top Layer "NETD6_1_L01_P026" (solid, pour order 26): 24.375,25.2 24.375,19.5 27.958,19.5 29,20.462 29,22.99 31.125,22.99 31.125,25.2
SELECTED on Top Layer "SELECTED_L01_P034" (solid, pour order 34): 31.75,25.25 31.75,23.75 41.162,23.75 41.162,25 40.5,25 40.5,26.75 39.667,26.75 37.667,25.25
VCC_3V3 on Top Layer "VCC_3V3_L01_P032" (solid, pour order 32): 42.5,25.339 47.5,25.339 47.5,29.25 45,29.25 42.5,26.75
NetL1_2 on Top Layer "NETL1_2_L01_P031" (solid, pour order 31): 41.845,25.25 41.845,27.345 42,27.5 42,32.75 43.5,32.75 43.5,28.25 42.25,27 42.25,25.25
VCC_USB on Top Layer "VCC_USB_L01_P017" (solid, pour order 17): 33.25,30 38,30 38,27.5 33.25,27.5
VCC_BATT1 on Top Layer "VCC_BATT1_L01_P016" (solid, pour order 16): 32.75,30 28,30 28,27.5 32.75,27.5
VCC_USB on Top Layer "VCC_USB_L01_P014" (solid, pour order 14): 22.25,30 27,30 27,27.5 22.25,27.5
VCC_BATT2 on Top Layer "VCC_BATT2_L01_P013" (solid, pour order 13): 21.75,30 15.5,30 15.5,27.5 21.75,27.5
GND on Bottom Layer "GND_L04_P045" (solid, pour order 45): 15,30.7 38.5,30.7 38.5,36 15,36
VCC_USB on Bottom Layer "VCC_USB_L04_P038" (solid, pour order 38): 33,23.5 33,20 34,19 36.5,19 36.5,23.5
VCC_USB on Bottom Layer "VCC_USB_L04_P021" (solid, pour order 21): 33.25,30.5 38.5,30.5 38.5,25.5 33.25,25.5
VCC_USB on Bottom Layer "VCC_USB_L04_P024" (solid, pour order 24): 22.25,30.5 27,30.5 27,25.5 22.25,25.5
VCC_BATT2 on Bottom Layer "VCC_BATT2_L04_P023" (solid, pour order 23): 15,30.5 21.5,30.5 21.5,23 17.5,23 15,25.75
VCC_BATT1 on Bottom Layer "VCC_BATT1_L04_P020" (solid, pour order 20): 27.5,30.5 32.5,30.5 32.5,27 27.5,27
GND on Inner Layer 2 (split plane): 82.49,3.51 3.51,3.51 3.51,37.49 82.49,37.49
VCC_3V3 on Inner Layer 1 (split plane): 82.49,3.51 3.51,3.51 3.51,37.49 82.49,37.49

## Silkscreen, mask and mechanical layers (free items; w line width, h text height)
Bottom Overlay:
  drawing of 90 lines, arcs and shapes, not listed
  text "BATT1" at 14.546,32.754 h1.52
  text "ESP32-C3 Haptic Motor Controller" at 80,31.266 h3
  text "lipo 1S" at 14.746,30.162 h1.52
  text "Designed by Dwayne Herzberg" at 80,27.5 h3
  text "V1.0 - Jan 2025" at 80,24.5 h3
  text "BATT2" at 14.746,22.654 h1.52
  text "Licensed under CERN-OHL-P v2" at 80,21.5 h3
  text "lipo 1S" at 14.746,20.162 h1.52
  text "USB-C" at 79.446,12.754 h1.52
  text "UART" at 79.446,10.754 h1.52
  text "M1" at 8.746,5.854 h1.52
  text "M2" at 15.246,5.854 h1.52
  text "M3" at 22.246,5.854 h1.52
  text "M4" at 29.246,5.854 h1.52
  text "M5" at 36.246,5.854 h1.52
  text "M6" at 43.246,5.854 h1.52
  text "M7" at 50.246,5.854 h1.52
  text "M8" at 57.246,5.854 h1.52
Board Shape:
  the board outline again, w0.2

## Text inside footprints (layer, text, board x,y; h text height)
D5: Mechanical 13 "+" at 43.567,35.608 h0.5
D8: Mechanical 13 "+" at 31.392,35.567 h0.5 r90
D9: Mechanical 13 "+" at 20.392,35.567 h0.5 r90
U2: Mechanical 13 "*" at 54.299,33.39 h1.27